# Altium PCB 2019.07.15.master.PcbDoc (part 2 of 7) (continued)
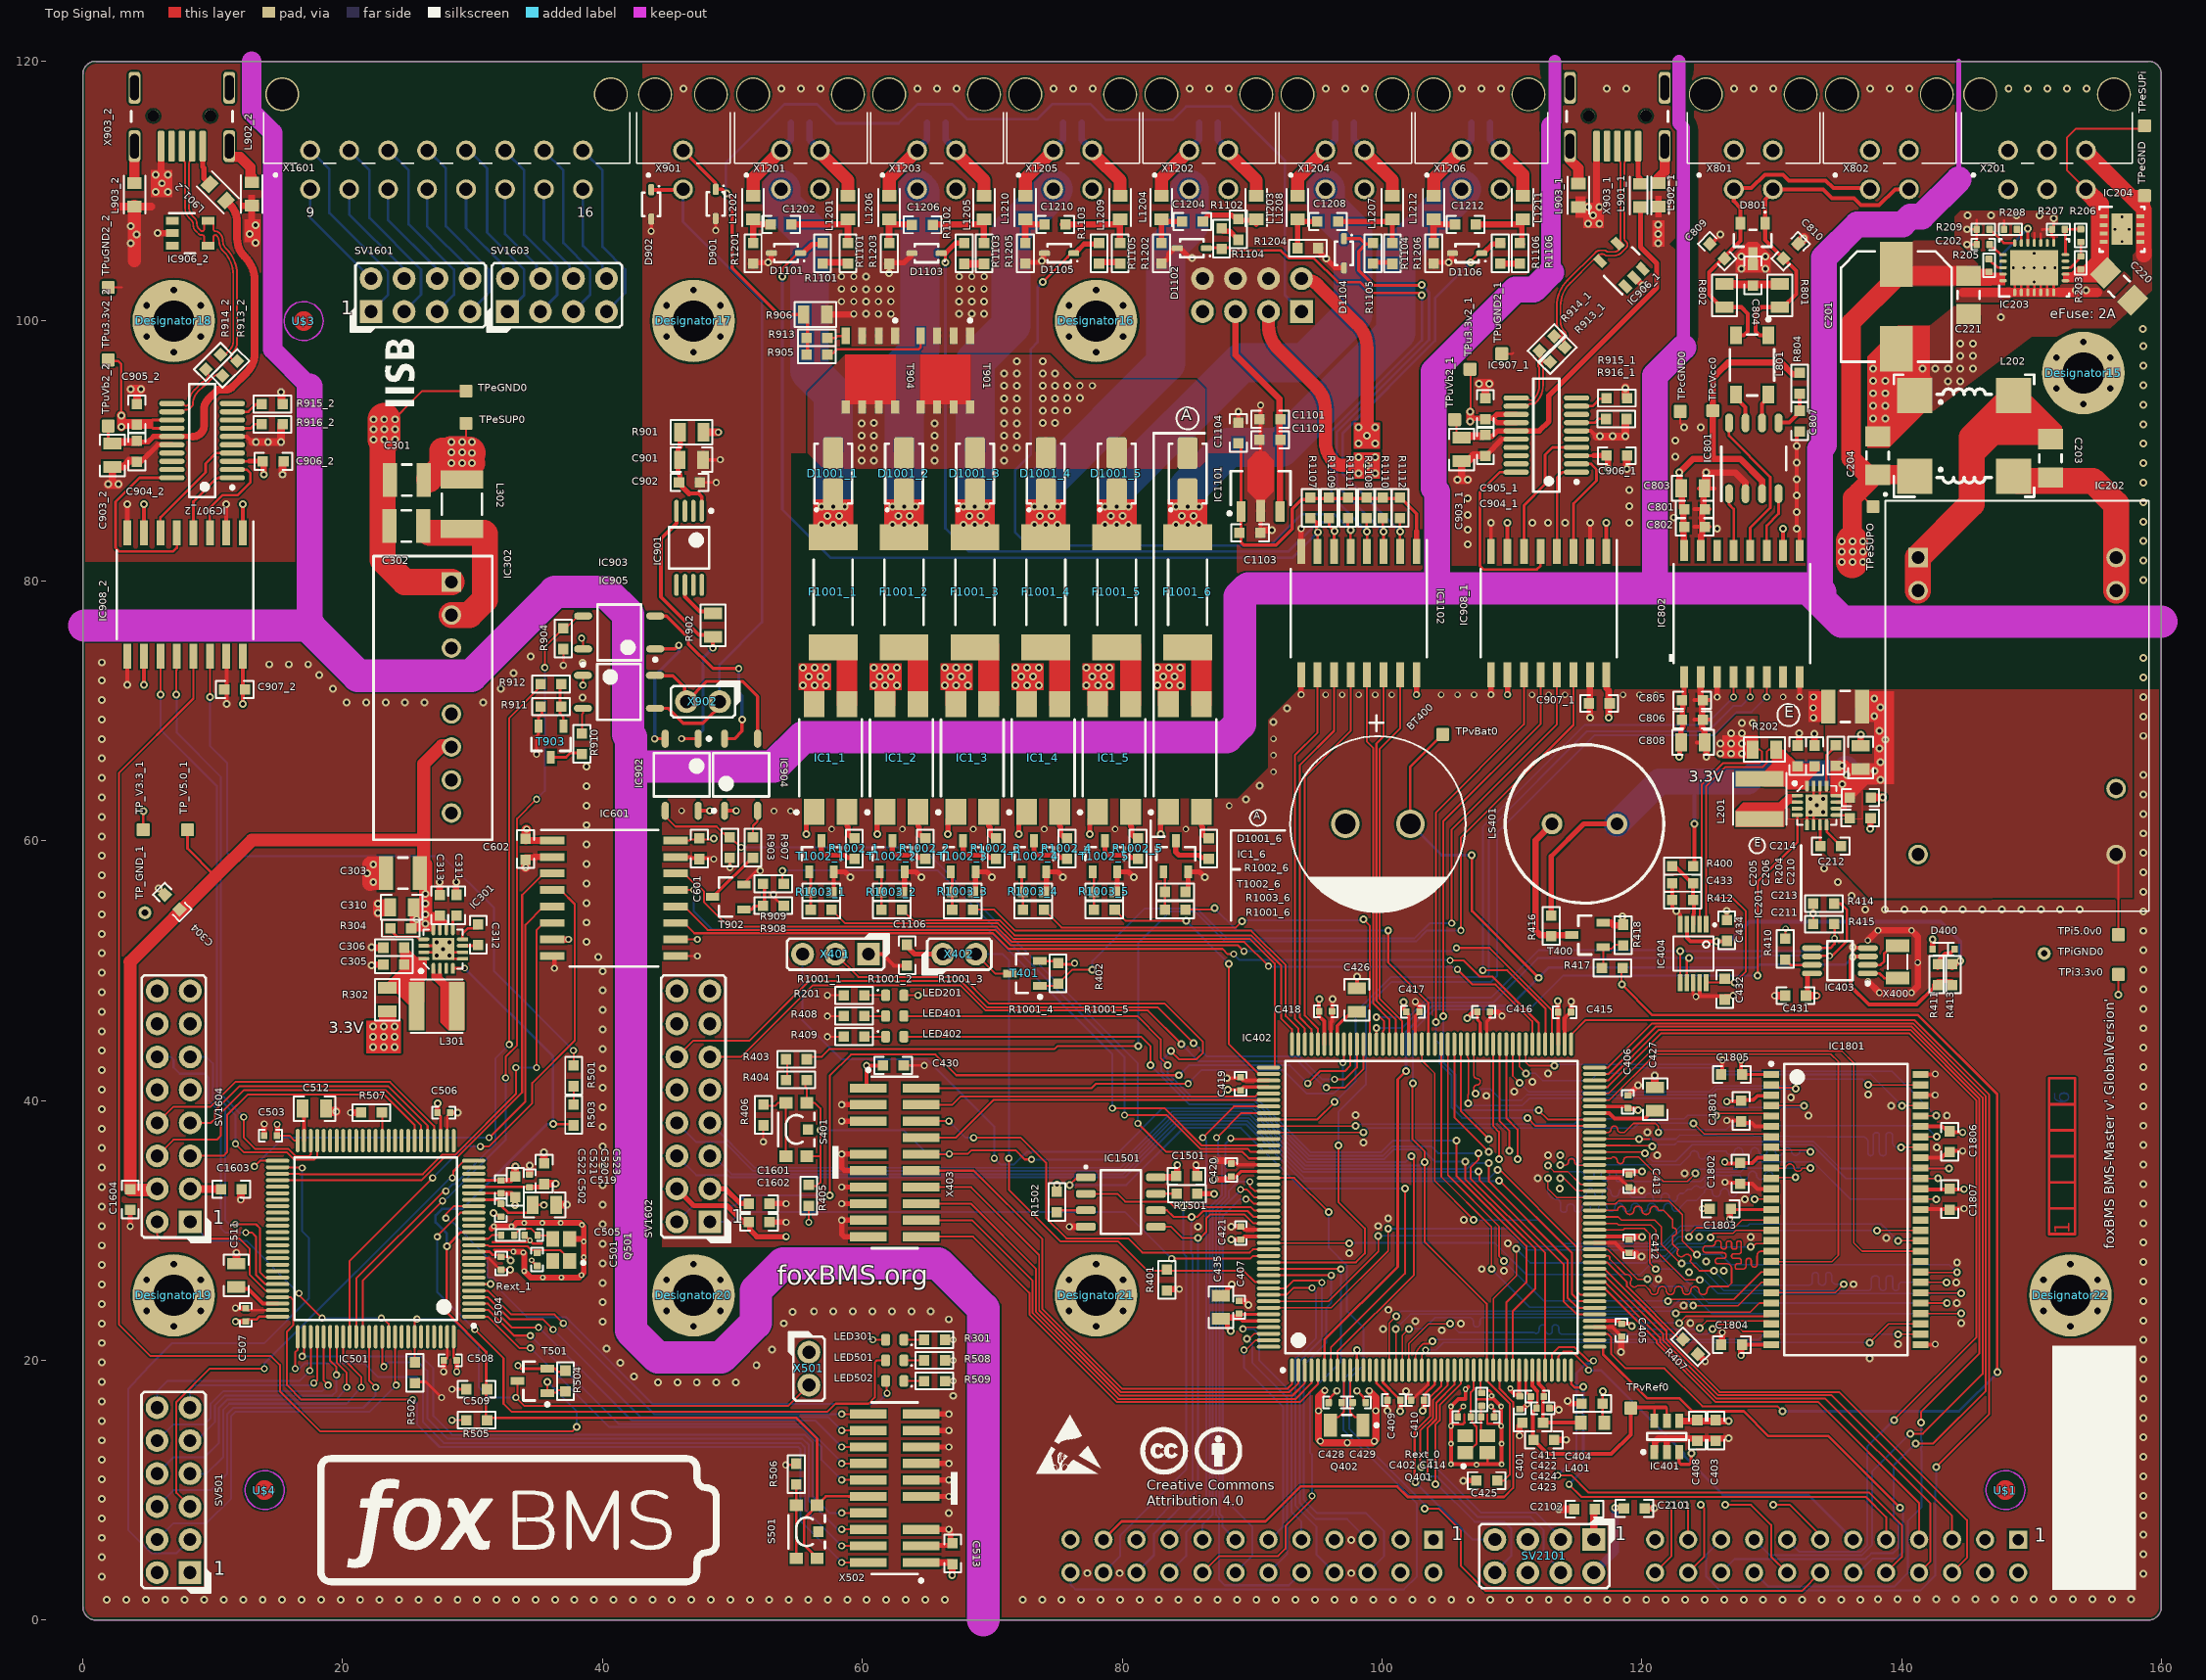
[diagram p0: Top Signal view]
## Footprints (in the part's own frame and the unit in brackets; to place one, negate y for a bottom-side part, rotate by r counter-clockwise, add the part's x,y. Pads: shape width x height; smd on the part's side, far side on the other; paste and mask are expansions set on the pad) (continued)
  silkscreen extent -7.68,-6.25 6.25,6.82, body extent -7,-7 7,7, height 1.6
STM-LQFP176_N [mm] "Thin QFP, 176-Leads, Body 24x24mm, Pitch 0.5mm, IPC Medium Density"
  oval 1.8x0.3 smd: 1(-12.55,10.75) 2(-12.55,10.25) 3(-12.55,9.75) 4(-12.55,9.25) 5(-12.55,8.75) 6(-12.55,8.25) 7(-12.55,7.75) 8(-12.55,7.25) 9(-12.55,6.75) 10(-12.55,6.25) 11(-12.55,5.75) 12(-12.55,5.25) 13(-12.55,4.75) 14(-12.55,4.25) 15(-12.55,3.75) 16(-12.55,3.25) 17(-12.55,2.75) 18(-12.55,2.25) 19(-12.55,1.75) 20(-12.55,1.25) 21(-12.55,0.75) 22(-12.55,0.25) 23(-12.55,-0.25) 24(-12.55,-0.75) 25(-12.55,-1.25) 26(-12.55,-1.75) 27(-12.55,-2.25) 28(-12.55,-2.75) 29(-12.55,-3.25) 30(-12.55,-3.75) 31(-12.55,-4.25) 32(-12.55,-4.75) 33(-12.55,-5.25) 34(-12.55,-5.75) 35(-12.55,-6.25) 36(-12.55,-6.75) 37(-12.55,-7.25) 38(-12.55,-7.75) 39(-12.55,-8.25) 40(-12.55,-8.75) 41(-12.55,-9.25) 42(-12.55,-9.75) 43(-12.55,-10.25) 44(-12.55,-10.75) 89(12.55,-10.75) 90(12.55,-10.25) 91(12.55,-9.75) 92(12.55,-9.25) 93(12.55,-8.75) 94(12.55,-8.25) 95(12.55,-7.75) 96(12.55,-7.25) 97(12.55,-6.75) 98(12.55,-6.25) 99(12.55,-5.75) 100(12.55,-5.25) 101(12.55,-4.75) 102(12.55,-4.25) 103(12.55,-3.75) 104(12.55,-3.25) 105(12.55,-2.75) 106(12.55,-2.25) 107(12.55,-1.75) 108(12.55,-1.25) 109(12.55,-0.75) 110(12.55,-0.25) 111(12.55,0.25) 112(12.55,0.75) 113(12.55,1.25) 114(12.55,1.75) 115(12.55,2.25) 116(12.55,2.75) 117(12.55,3.25) 118(12.55,3.75) 119(12.55,4.25) 120(12.55,4.75) 121(12.55,5.25) 122(12.55,5.75) 123(12.55,6.25) 124(12.55,6.75) 125(12.55,7.25) 126(12.55,7.75) 127(12.55,8.25) 128(12.55,8.75) 129(12.55,9.25) 130(12.55,9.75) 131(12.55,10.25) 132(12.55,10.75)
  oval 0.3x1.8 smd: 45(-10.75,-12.55) 46(-10.25,-12.55) 47(-9.75,-12.55) 48(-9.25,-12.55) 49(-8.75,-12.55) 50(-8.25,-12.55) 51(-7.75,-12.55) 52(-7.25,-12.55) 53(-6.75,-12.55) 54(-6.25,-12.55) 55(-5.75,-12.55) 56(-5.25,-12.55) 57(-4.75,-12.55) 58(-4.25,-12.55) 59(-3.75,-12.55) 60(-3.25,-12.55) 61(-2.75,-12.55) 62(-2.25,-12.55) 63(-1.75,-12.55) 64(-1.25,-12.55) 65(-0.75,-12.55) 66(-0.25,-12.55) 67(0.25,-12.55) 68(0.75,-12.55) 69(1.25,-12.55) 70(1.75,-12.55) 71(2.25,-12.55) 72(2.75,-12.55) 73(3.25,-12.55) 74(3.75,-12.55) 75(4.25,-12.55) 76(4.75,-12.55) 77(5.25,-12.55) 78(5.75,-12.55) 79(6.25,-12.55) 80(6.75,-12.55) 81(7.25,-12.55) 82(7.75,-12.55) 83(8.25,-12.55) 84(8.75,-12.55) 85(9.25,-12.55) 86(9.75,-12.55) 87(10.25,-12.55) 88(10.75,-12.55) 133(10.75,12.55) 134(10.25,12.55) 135(9.75,12.55) 136(9.25,12.55) 137(8.75,12.55) 138(8.25,12.55) 139(7.75,12.55) 140(7.25,12.55) 141(6.75,12.55) 142(6.25,12.55) 143(5.75,12.55) 144(5.25,12.55) 145(4.75,12.55) 146(4.25,12.55) 147(3.75,12.55) 148(3.25,12.55) 149(2.75,12.55) 150(2.25,12.55) 151(1.75,12.55) 152(1.25,12.55) 153(0.75,12.55) 154(0.25,12.55) 155(-0.25,12.55) 156(-0.75,12.55) 157(-1.25,12.55) 158(-1.75,12.55) 159(-2.25,12.55) 160(-2.75,12.55) 161(-3.25,12.55) 162(-3.75,12.55) 163(-4.25,12.55) 164(-4.75,12.55) 165(-5.25,12.55) 166(-5.75,12.55) 167(-6.25,12.55) 168(-6.75,12.55) 169(-7.25,12.55) 170(-7.75,12.55) 171(-8.25,12.55) 172(-8.75,12.55) 173(-9.25,12.55) 174(-9.75,12.55) 175(-10.25,12.55) 176(-10.75,12.55)
  silkscreen extent -12.67,-11.25 11.25,11.57, body extent -13,-13 13,13, height 1.6
TDK-ACT45B-510-2P-TL003-4_V [mm] "SMD, 4-Leads, Body 4.7x3.4mm, Pitch 2.5mm"
  rect 1.35x0.9 smd: 1(-2.275,1.25) 2(-2.275,-1.25) 3(2.275,-1.25) 4(2.275,1.25)
  silkscreen extent -3.62,-1.7 2.35,1.7, body extent -2.35,-1.7 2.35,1.7, height 3
Testpoint_D1V [mm] "Testpunkt, Via, rund 1mm"
  round 1 smd paste-0.5: 1(0,0)
  round 0.9 hole 0.5 mask-0.15: 1(0,0)
Testpoint_S1 [mm] "Testpunkt, quardratisch 1mm"
  rrect20% 1x1 smd paste-0.5: 1(0,0)
TSOP80P1180X120-54N [mm] "TSOP, 54-Leads, Body 22,22x10,16mm, Pitch 0,80mm, IPC Medium Density"
  rect 1.2x0.55 smd: 1(-5.75,10.4) 2(-5.75,9.6) 3(-5.75,8.8) 4(-5.75,8) 5(-5.75,7.2) 6(-5.75,6.4) 7(-5.75,5.6) 8(-5.75,4.8) 9(-5.75,4) 10(-5.75,3.2) 11(-5.75,2.4) 12(-5.75,1.6) 13(-5.75,0.8) 14(-5.75,0) 15(-5.75,-0.8) 16(-5.75,-1.6) 17(-5.75,-2.4) 18(-5.75,-3.2) 19(-5.75,-4) 20(-5.75,-4.8) 21(-5.75,-5.6) 22(-5.75,-6.4) 23(-5.75,-7.2) 24(-5.75,-8) 25(-5.75,-8.8) 26(-5.75,-9.6) 27(-5.75,-10.4) 28(5.75,-10.4) 29(5.75,-9.6) 30(5.75,-8.8) 31(5.75,-8) 32(5.75,-7.2) 33(5.75,-6.4) 34(5.75,-5.6) 35(5.75,-4.8) 36(5.75,-4) 37(5.75,-3.2) 38(5.75,-2.4) 39(5.75,-1.6) 40(5.75,-0.8) 41(5.75,0) 42(5.75,0.8) 43(5.75,1.6) 44(5.75,2.4) 45(5.75,3.2) 46(5.75,4) 47(5.75,4.8) 48(5.75,5.6) 49(5.75,6.4) 50(5.75,7.2) 51(5.75,8) 52(5.75,8.8) 53(5.75,9.6) 54(5.75,10.4)
  silkscreen extent -5.87,-11.2 4.75,11.35, body extent -5.88,-11.2 5.88,11.2, height 1.2
USOP-8 [mm]
  oval 1.55x0.45 smd paste-0.025: 1(-2.15,0.975) 2(-2.15,0.325) 3(-2.15,-0.325) 4(-2.15,-0.975) 5(2.15,-0.975) 6(2.15,-0.325) 7(2.15,0.325) 8(2.15,0.975)
  silkscreen extent -2.28,-1.5 0.97,1.87, body extent -1.5,-1.5 1.5,1.5, height 1.2
VAQE6W-Q24-S5-D [mm] "Isolated Module DC DC Converter 1 Output 5V 1.2A 9V - 36V Input"
  rect 1.508x1.508 hole 1: 2(0,0)
  round 1.508 hole 1: 3(2.54,0) 11(22.86,0) 14(22.86,15.24) 16(17.78,15.24) 22(2.54,15.24) 23(0,15.24)
  silkscreen extent -4.96,-2.61 27.23,17.77, body extent -4.46,-2.62 27.32,17.86, height 10.2
VISH-POWERPAKSO-8_V [mm] "SMD, 8-Leads, Body 6.15x5.155mm, Pitch 1.27mm"
  rect 1.27x0.61 smd: 1(-2.67,1.905) 2(-2.67,0.635) 3(-2.67,-0.635) 4(-2.67,-1.905)
  rect 1.02x0.61 smd: 5(2.795,-1.905) 6(2.795,-0.635) 7(2.795,0.635) 8(2.795,1.905)
  Top Signal region: -1.215,-1.955 2.595,-1.955 2.595,1.955 -1.215,1.955
  silkscreen extent -3.98,1.78 -3.73,2.03, body extent -3.08,-2.58 3.08,2.58, height 1.12
WE-LQS [mm]
  rect 1.2x3.7 smd: 1(-1.55,0) 2(1.55,0)
  silkscreen extent -2,-2.05 2,2.05, body extent -2,-2 2,2, height 1.8
WE-SL5 [mm] "Wurth WE-SL5 Common Mode Choke"
  rect 2.7x2.7 smd: 1(3.81,3.11) 2(-3.81,3.11) 3(-3.81,-3.11) 4(3.81,-3.11)
  silkscreen extent -5.4,-4.7 5.4,4.7, body extent -5,-4.35 5,4.35, height 5.96

## Part data
BT400: library part BATTERY_1, "Panasonic ML1220/F1AN, Manganese Lithium coin battery, 3V, PCB SMT,, RoHS compliant", DBDesc="330m 5.5V super capacitor -40-+85degC 13.5mm 8.5mm tall, RoHS compliant (DUPLICATE OF ID#22645)", ID=27713
C201: library part CMP-0687-00068-1, "Aluminum Electrolytic Capacitor, UD Series, Low Impedance, 330 uF, 25 V, + / - 20%, -55 to 105 degC, Chip Type, 8 x 10 mm D x L, Pb-Free, Reel", Manufacturer=Nichicon, Rated Capacitance="330 uF", Rated Ripple Current (at 100kHz)="450 mA", Rated Voltage="25 V", Tolerance Rated Capacitance="-20 to 20%", ComponentLink1Description="Manufacturer URL", ComponentLink1URL=http://www.nichicon.co.jp/, ComponentLink2Description=Datasheet, ComponentLink2URL=http://products.nichicon.co.jp/en/pdf/XJA043/e-ud.pdf, ComponentLink3Description="Package Specification", ComponentLink3URL=http://products.nichicon.co.jp/en/pdf/XJA043/e-ud.pdf, DatasheetVersion=08/2012, Diameter="8 mm", Endurance Time="5000 h", Impedance="0.17 Ohm", Length="10 mm", Mounting Technology="Surface Mount", PackageDescription="2-Pin Surface Mount Device, Diameter 8 mm, Height 10 mm, Pitch 6.5 mm", PackageReference=CAPAE-D8H10, Packing="Dia382mm Reel", PartNumber=UUD1E331MNL1GS, RoHS=TRUE
C202 C205 C206 C210 C211 C212 C213 C305 C306 C310 C311 C312 C313: library part CAP, "10u 20% 6.3V 0603 X5R ceramic capacitor, RoHS compliant"
  C202 C211 C212 C311 C312: DBDesc="10n 10% 50V 0402 X7R ceramic capacitor, RoHS compliant", ID=16887
  C205 C206 C210 C305 C306 C310: DBDesc="10u 20% 6.3V 0603 X5R ceramic capacitor, RoHS compliant", ID=11253
  C213 C313: DBDesc="1u 10% 16V X5R 0402 ceramic capacitor, RoHS compliant", ID=16358
C203 C204 C220 C221: library part CMP-2000-04948-1, "Chip Capacitor, 1 uF, +/- 10%, 100 V, -55 to 125 degC, 1206 (3216 Metric), RoHS, Tape and Reel", Capacitance=1µF, Manufacturer=Murata, Operating Temperature=-55degC~125degC, Package / Case=1206(3216Metric), Package Description="2-Pin Surface Mount Device, Body 3.2 x 1.6 mm", Package Reference=1206, Ratings=-, Standard Package=1, Temperature Coefficient=X7R, Tolerance=±10%, Voltage - Rated=100V, Applications=GeneralPurpose, Catalog Drawings=GRMSeries_1206_1.6, Category=Capacitors, Datasheet URL=https://datasheet.ciiva.com/29199/454987-da-01-en-vs-kondensator-1206-29199435.pdf, Datasheet Version=Sep-11, Family=CeramicCapacitors, Featured Product=GA3SafetyRecognizedCapsandHi-CapMLCC, Features=-, Height - Seated (Max)=-, Lead Spacing=-, Lead Style=-, Manufacturer URL=http://www.murata.com/, Mounting Type=SurfaceMount,MLCC, Online Catalog=GRMSeries, Other Names=490-3909-6, Packaging=Digi-Reel, Product Training Modules=High-CapMultilayerCeramicCapacitors, Series=GRM
C214 C301 C302 C303: library part CMP-2000-05480-1, "Multilayer Ceramic Capacitor, 50 V, -55 to 125 degC, 2-Pin SMD (1210), RoHS, Tape and Reel", Capacitance=10uF, Case Code - in=1210, Case Code - mm=3225, Dielectric=X7R, Manufacturer=AVX, Maximum Operating Temperature=+125C, Minimum Operating Temperature=-55C, Operating Temperature Range=-55Cto+125C, Package / Case=1210(3225metric), Package Description="2-Pin Surface Mount Device, Body 3.2 x 2.5 mm", Temperature Coefficient / Code=+/-15%, Tolerance=10%, Voltage Rating=50V, Brand=AVX, Datasheet URL=http://www.farnell.com/datasheets/1818074.pdf, Datasheet Version=03/2014, Factory Pack Quantity=1000, Load Life=1000h, Manufacturer URL=http://www.avx.com/, Mounting Technology=SurfaceMount, Package Reference=1210, Packaging=Reel, Product=GeneralTypeMLCCs, Product Category=MultilayerCeramicCapacitorsMLCC-SMD/SMT, RoHS=Details, Termination Style=SMD/SMT, TYPE=CommercialSurfaceMountChip, Voltage Rating DC=50V
C304 C401 C405 C406 C407 C408 C409 C410 C411 C412 C413 C415 C416 C417 C418 C419 C420 C421 C422 C425 C430 C502 C503 C504 C506 C507 C508 C509 C513 C520 C522 C601 C602 C802 C805 C807 C902 C904_1 C904_2 C905_1 C905_2 C906_1 C906_2 C907_1 C907_2 C1102 C1103 C1104 C1106 C1201 C1202 C1203 C1204 C1205 C1206 C1207 C1208 C1209 C1210 C1211 C1212 C1501 C1601 C1602 C1603 C1604 C1801 C1802 C1803 C1804 C1805 C1806 C1807 C2101 C2102: library part gen_C_ceramic_100n_50V_X7R_0603, "MLCC", Capacitance=100n, Case EIA=0603, Case Metric=1608, Dielectric=X7R, PnP Package=C_0603_10, PnP Value=100n/50V/X7R, Rated Voltage=50V, Supplier Part Number 1=2525267, Automotive Qualified=False, Part Number=gen_C_ceramic_100n_50V_X7R_0603, PnP equipped=x, Supplier 1=Farnell, Supplier 2=Digikey, Supplier Part Number 2=490-6049-1-ND
C402 C414 C428 C429 C501 C505: library part gen_C_ceramic_18p_50V_C0G_0603, "MLCC", Capacitance=18p, Case EIA=0603, Case Metric=1608, Dielectric=C0G, Rated Voltage=50V, Supplier Part Number 1=2070403, Automotive Qualified=False, Part Number=gen_C_ceramic_18p_50V_C0G_0603, Supplier 1=Farnell
C403 C404 C423 C424 C521 C523 C801 C806 C1101: library part gen_C_ceramic_1u_35V_X7R_0603, "MLCC", Capacitance=1u, Case EIA=0603, Case Metric=1608, Dielectric=X7R, PnP Package=C_0603_10, PnP Value=1uF/35V/X7R, Rated Voltage=35V, Supplier Part Number 1=1907508, Automotive Qualified=False, Part Number=gen_C_ceramic_1u_35V_X7R_0603, PnP equipped=x, Supplier 1=Farnell
C426 C427 C511 C512: library part gen_C_ceramic_2u2_10V_X5R_0603, "MLCC", Capacitance=2u2, Case EIA=0805, Case Metric=2012, Dielectric=X7R, Part Number=gen_C_ceramic_2u2_50V_X7R_0805, Rated Voltage=50V, Supplier Part Number 1=2547054, Automotive Qualified=False, AVT Set=x, Supplier 1=Farnell
C431 C432 C433 C434: library part CAP_NP_1, "100n 6.3V X7R 10% 0402 ceramic capacitor, RoHS compliant (SUPERSEDED BY ID#12509)"
  C431 C432: DBDesc="100n 16V X7R 10% 0402 ceramic capacitor, RoHS compliant", ID=12509
  C433 C434: DBDesc="10n 10% 50V 0402 X7R ceramic capacitor, RoHS compliant", ID=16887
C435 C519: library part gen_C_ceramic_2u2_10V_X5R_0603, "MLCC", Capacitance=4u7, Case EIA=0805, Case Metric=2012, Dielectric=X7R, Part Number=gen_C_ceramic_4u7_50V_X7R_0805, Rated Voltage=50V, Supplier Part Number 1=2547054, Automotive Qualified=False, AVT Set=x, Supplier 1=Farnell
C803 C808: library part gen_C_ceramic_2u2_10V_X5R_0603, "MLCC", Capacitance=10u, Case EIA=0805, Case Metric=2012, Dielectric=X7R, Part Number=gen_C_ceramic_2u2_50V_X7R_0805, Rated Voltage=50V, Supplier Part Number 1=2547054, Automotive Qualified=False, AVT Set=x, Supplier 1=Farnell
C804: library part gen_C_ceramic_4n7_50V_X7R_0603, "MLCC", Capacitance=4700p, Case EIA=0603, Case Metric=1608, Dielectric=C0G, PnP Package=C_0603_05, Rated Voltage=50V, Automotive Qualified=True, Supplier 1=Farnell
C809 C810: library part gen_C_ceramic_4n7_50V_X7R_0603, "MLCC", Capacitance=68p, Case EIA=0603, Case Metric=1608, Dielectric=X7R, PnP Package=C_0603_05, Rated Voltage=50V, Automotive Qualified=True, Part Number=gen_C_ceramic_4n7_50V_X7R_0603, Supplier 1=Farnell
C901: library part gen_C_ceramic_2u2_50V_X7R_0805, "MLCC", Capacitance=2u2, Case EIA=0805, Case Metric=2012, Dielectric=X7R, Rated Voltage=50V, Supplier Part Number 1=2547054, Automotive Qualified=False, Part Number=gen_C_ceramic_2u2_50V_X7R_0805, Supplier 1=Farnell
C903_1 C903_2: library part gen_C_ceramic_4u7_25V_X5R_0603, "MLCC", Capacitance=4u7, Case EIA=0805, Case Metric=2012, Dielectric=X7R, Part Number=gen_C_ceramic_4u7_50V_X7R_0805, Rated Voltage=50V, Automotive Qualified=False, AVT Set=x
D400: library part DIODE_SCHTKY, "'''BAT41 Schottky diode, small signal''' / - If(avg) = 200mA, Vf(max) = 1V@200mA / - Vr(max) = 100V, Ir = 100nA@50V, 25deg / - SOD-523 package, RoHS compliant", DBDesc="do not populate, RoHS compliant", ID=908, Preffered ID=20995
D801: library part CMP-2000-04916-1, "CAN Bus ESD Protection Diode, 200 W, 24 V, -65 to 150 degC, 3-Pin SOT23, RoHS, Tape and Reel", Breakdown Voltage=27.8V, Breakdown Voltage Max=30.3V, Breakdown Voltage Min=25.4V, Breakdown Voltage Range=25.4Vto30.3V, Capacitance Cd @ Vr Max=17pF, Capacitance Cd @ Vr Typ=11pF, Clamping Voltage @ 8/20µs Max=70V, Diode Case Style=SOT-23, Manufacturer="NXP Semiconductors", Operating Temperature Max=150degC, Operating Temperature Min=-65degC, Operating Temperature Range=-65degCto+150degC, Peak Pulse Current Ippm=3A, Peak Pulse Power=200W, Reverse Stand-Off Voltage Vrwm=24V, Breakover Voltage Min=25.4V, Clamping Voltage Vc Max=70V, Datasheet URL=https://datasheet.ciiva.com/22692/109497-22692467.pdf, Datasheet Version="Rev. 04, 02/2008", Diode Configuration=Bidirectional, Diode Type=BidirectionalTVS, Manufacturer URL=http://www.nxp.com/, No. of Pins=3, Package / Case=SOT-23, SMD Marking=AN, Stand-off Voltage=24V, SVHC=NoSVHC(20-Jun-2013), Termination Type=SMD, TVS Polarity=Bidirectional
D901 D902: "Zener Diode", Breakdown Voltage=12V, Manufacturer="ON Semiconductor", PnP Package=SOD323, Supplier Part Number 1=1431191, Automotive Qualified=True, ComponentLink1Description=Datasheet, ComponentLink1URL=http://www.farnell.com/datasheets/1876691.pdf, Part Name=MM3Z12VT1G, Part Number=MM3Z12VT1G, Supplier 1=Farnell, Supplier 2=Digikey, Supplier 3=Mouser, Supplier Part Number 2=MM3Z12VT1GOSCT-ND, Supplier Part Number 3=863-MM3Z12VT1G
D1001_1 D1001_2 D1001_3 D1001_4 D1001_5 D1001_6: "Standard Recovery Diode, 100 V, 1 A, Single, 1 V, 2 µs, 30 A", Breakdown Voltage=100V, Continuous Forward Current=1A, Manufacturer="ON Semiconductor", Operating Temperature="-65°C - +175°C", Part Name=GF1B, Supplier Part Number 1=1467477, Automotive Qualified=False, ComponentLink1Description=Datasheet, ComponentLink1URL=http://www.farnell.com/datasheets/2303965.pdf, Part Number=d_si_sma_1A, Supplier 1=Farnell
D1101 D1102 D1103 D1104 D1105 D1106: "TVS Diode, CDSOD323 Series, Unidirectional, 5 V, 18.3 V, SOD-323, 2 Pins", Breakdown Voltage=6V, Manufacturer=Bourns, Operating Temperature="-55°C - +150°C", Supplier Part Number 1=2341914, Automotive Qualified=False, ComponentLink1Description=Datasheet, ComponentLink1URL=http://www.farnell.com/datasheets/1845299.pdf, Part Name=CDSOD323-T05, Part Number=CDSOD323-T05, Supplier 1=Farnell
Designator15 Designator16 Designator17: library part Hole_3.2_Iso
F1001_1 F1001_2 F1001_3 F1001_4 F1001_5 F1001_6: "Schurter SMD Fuse 4.0A UMT 3403.0172.11", Manufacturer=Schurter, Operating Temperature="-55°C - +125°C", Supplier Part Number 1=486-1253-ND, Automotive Qualified=False, ComponentLink1Description="Catalog Page Digikey", ComponentLink1URL=http://dkc3.digikey.com/PDF/DE2011-DE/P2352.pdf, Part Number=fuse_4A_3403.0172.11, Supplier 1=Digikey, Supplier 2=Mouser, Supplier Part Number 2=693-3403.0172.11
IC1_1 IC1_2 IC1_3 IC1_4 IC1_5 IC1_6: "PhotoMOS GU 1 Form A, 60 V Load Voltage, 1.1 A Continuous Load Current, -40 to 85 degC, 4-Pin DIP(SMT), Tube, RoHS", Continuous Load Current="1.1 A", Load Voltage="60 V", Manufacturer=Panasonic, On Resistance (Typ)="0.34 Ohm", ComponentLink1Description="Manufacturer URL", ComponentLink1URL=http://www3.panasonic.biz/ac/ae/index.jsp, ComponentLink2Description=Datasheet, ComponentLink2URL=http://www3.panasonic.biz/ac/e_download/control/relay/photomos/catalog/semi_eng_gu1a_aqy21_g.pdf, ComponentLink3Description="Package Specification", ComponentLink3URL=http://www3.panasonic.biz/ac/e_download/control/relay/photomos/catalog/semi_eng_dimensions.pdf?f_cd=401560, DatasheetVersion=201404-T, Mounting Technology="Surface Mount", PackageDescription="4-Pin Surface Mount Terminal Package, Body 4.78 x 6.4 mm, Pitch 2.54mm", PackageReference=DIP4(SMT), PackageVersion="ASCTB67E, 04/2014", Packing=Tube, PartNumber=AQY212GHA, Pb-Free=True, RoHS=True, Series="PhotoMOS GU 1 Form A"
IC201 IC301: library part TPS62090, "'''TI TPS62091 Integrated Sync. Buck Converter''' / - fsw=1.4/2.8MHz / - Vin = 2.5-6V, Vout=3.3V, Iout=3A / - 3x3mm QFN-16, RoHS compliant", DBDesc="'''TI TPS62091 Integrated Sync. Buck Converter''' / - fsw=1.4/2.8MHz / - Vin = 2.5-6V, Vout=0.8-Vin, Iout=3A / - 3x3mm QFN-16, RoHS compliant", ID=21555
IC202: "DC DC CONVERTER 5V 6W", Power=6W, Input=9-36V, Output="5V 1.2A", PartNumber=VAQE6W-Q24-S5-D
IC203: "37V Clamped input protection", Manufacturer="Texas Instruments", PartNumber=TPS26602RHFR, RefDes=RefDes, TYPE=TYPE
IC204: "TVS3301 33-V Bidirectional Flat-Clamp Surge Protection Device", Manufacturer="Texas Instruments", PartNumber=TVS3301DRBR, RefDes=RefDes, TYPE=TYPE
IC302: library part Recom_RS-2405SZ/H3, "Isolating DC/DC Converter", Manufacturer=Recom, Supplier Part Number 1=945-1552-5-ND, Automotive Qualified=False, ComponentLink1Description=Datasheet, ComponentLink1URL=https://www.recom-power.com/pdf/Econoline/RS-S_D_Z.pdf, Part Number=Recom_RS-2405SZ/H3, Supplier 1=Digikey, Supplier 2=Farnell, Supplier 3=Mouser, Supplier Part Number 2=1893731, Supplier Part Number 3=919-RS-2405SZ/H3
IC401: library part CMP-0784-00366-1, "Micropower, High Accuracy Voltage Reference, 2.5 V Output, 2.7 to 5.5 V Supply, Industrial, 6-pin SOT23 (RJ-6), Reel", Manufacturer="Analog Devices", Operating Temp Range="-40 to 125 degC", Code_JEDEC=MO-178-AB, ComponentLink1Description="Manufacturer URL", ComponentLink1URL=http://www.analog.com/en/index.html, ComponentLink2Description=Datasheet, ComponentLink2URL=http://www.analog.com/static/imported-files/data_sheets/ADR3412_ADR3420_ADR3425_ADR3430_ADR3433_ADR3440_ADR3450.pdf, ComponentLink3Description="Package Specification", ComponentLink3URL=http://www.analog.com/static/imported-files/packages/PKG_PDF/SOT-23(RJ)/RJ_6.pdf, ComponentLink4Description="URL Link1", ComponentLink4URL="Product URL:http://www.analog.com/en/special-linear-functions/voltage-references/adr3425/products/product.html", DatasheetVersion="Rev. B", Max V Supply (V)=5.5, Min V Supply (V)=2.7, Mounting Technology="Surface Mount", PackageDescription="6-Pin Small Outline Transistor Package, Body 2.9 x 1.6 mm, Pitch 0.95 mm", PackageReference=RJ-6, PackageVersion="121608-A, 12/2008", Packing=Reel, PartNumber=ADR3425ARJZ-R2, Ref Out TC (ppm/C)=2.5, Vout=2.5V
IC402: library part MC-ARM-STM32F4X9-SQ176, "ARM Cortex-M4 32-bit MCU+FPU, 225 DMIPS, 2048 kB Flash, 256 kB Internal RAM, 140 I/Os, 176-pin LQFP, -40 to 85 degC, Tray", I/Os (High Current)=140, Manufacturer=STMicroelectronics, Operating Frequency(F) (Processor speed) (MHz)=180, Supply Voltage(Vcc) max (V)=3.6, Supply Voltage(Vcc) min (V)=1.8, ComponentLink1Description="Manufacturer URL", ComponentLink1URL=http://www.st.com/web/en/home.html, ComponentLink2Description=Datasheet, ComponentLink2URL=http://www.st.com/st-web-ui/static/active/en/resource/technical/document/data_brief/DM00053488.pdf, ComponentLink3Description="Package Specification", ComponentLink3URL=http://www.st.com/st-web-ui/static/active/en/resource/technical/document/datasheet/DM00035129.pdf, Core="ARM Cortex-M4", D/A Converter=2x12-bit, DatasheetVersion="Rev. 2", FLASH Size (Prog) (kB)=2048, Internal RAM Size (kB)=256, Mounting Technology="Surface Mount", PackageDescription="176-Pin Low Profile Quad Flat Package, 24 x 24 mm Body, 0.5 mm Pitch", PackageReference=LQFP176, PackageVersion="Rev. 4, 06/2013", Packing=Tray, PartNumber=STM32F429IIT6